# Altium PCB PCB2.PcbDoc (part 2 of 3)
Units mil, origin at the board's own origin, x right, y up, seen from the top; angles counter-clockwise.
Board outline 8661.42 x 5433.07 mil, 2 copper layers (Top Layer, Bottom Layer); 304 components, 0 nets, 1026 pads, 1089 vias.
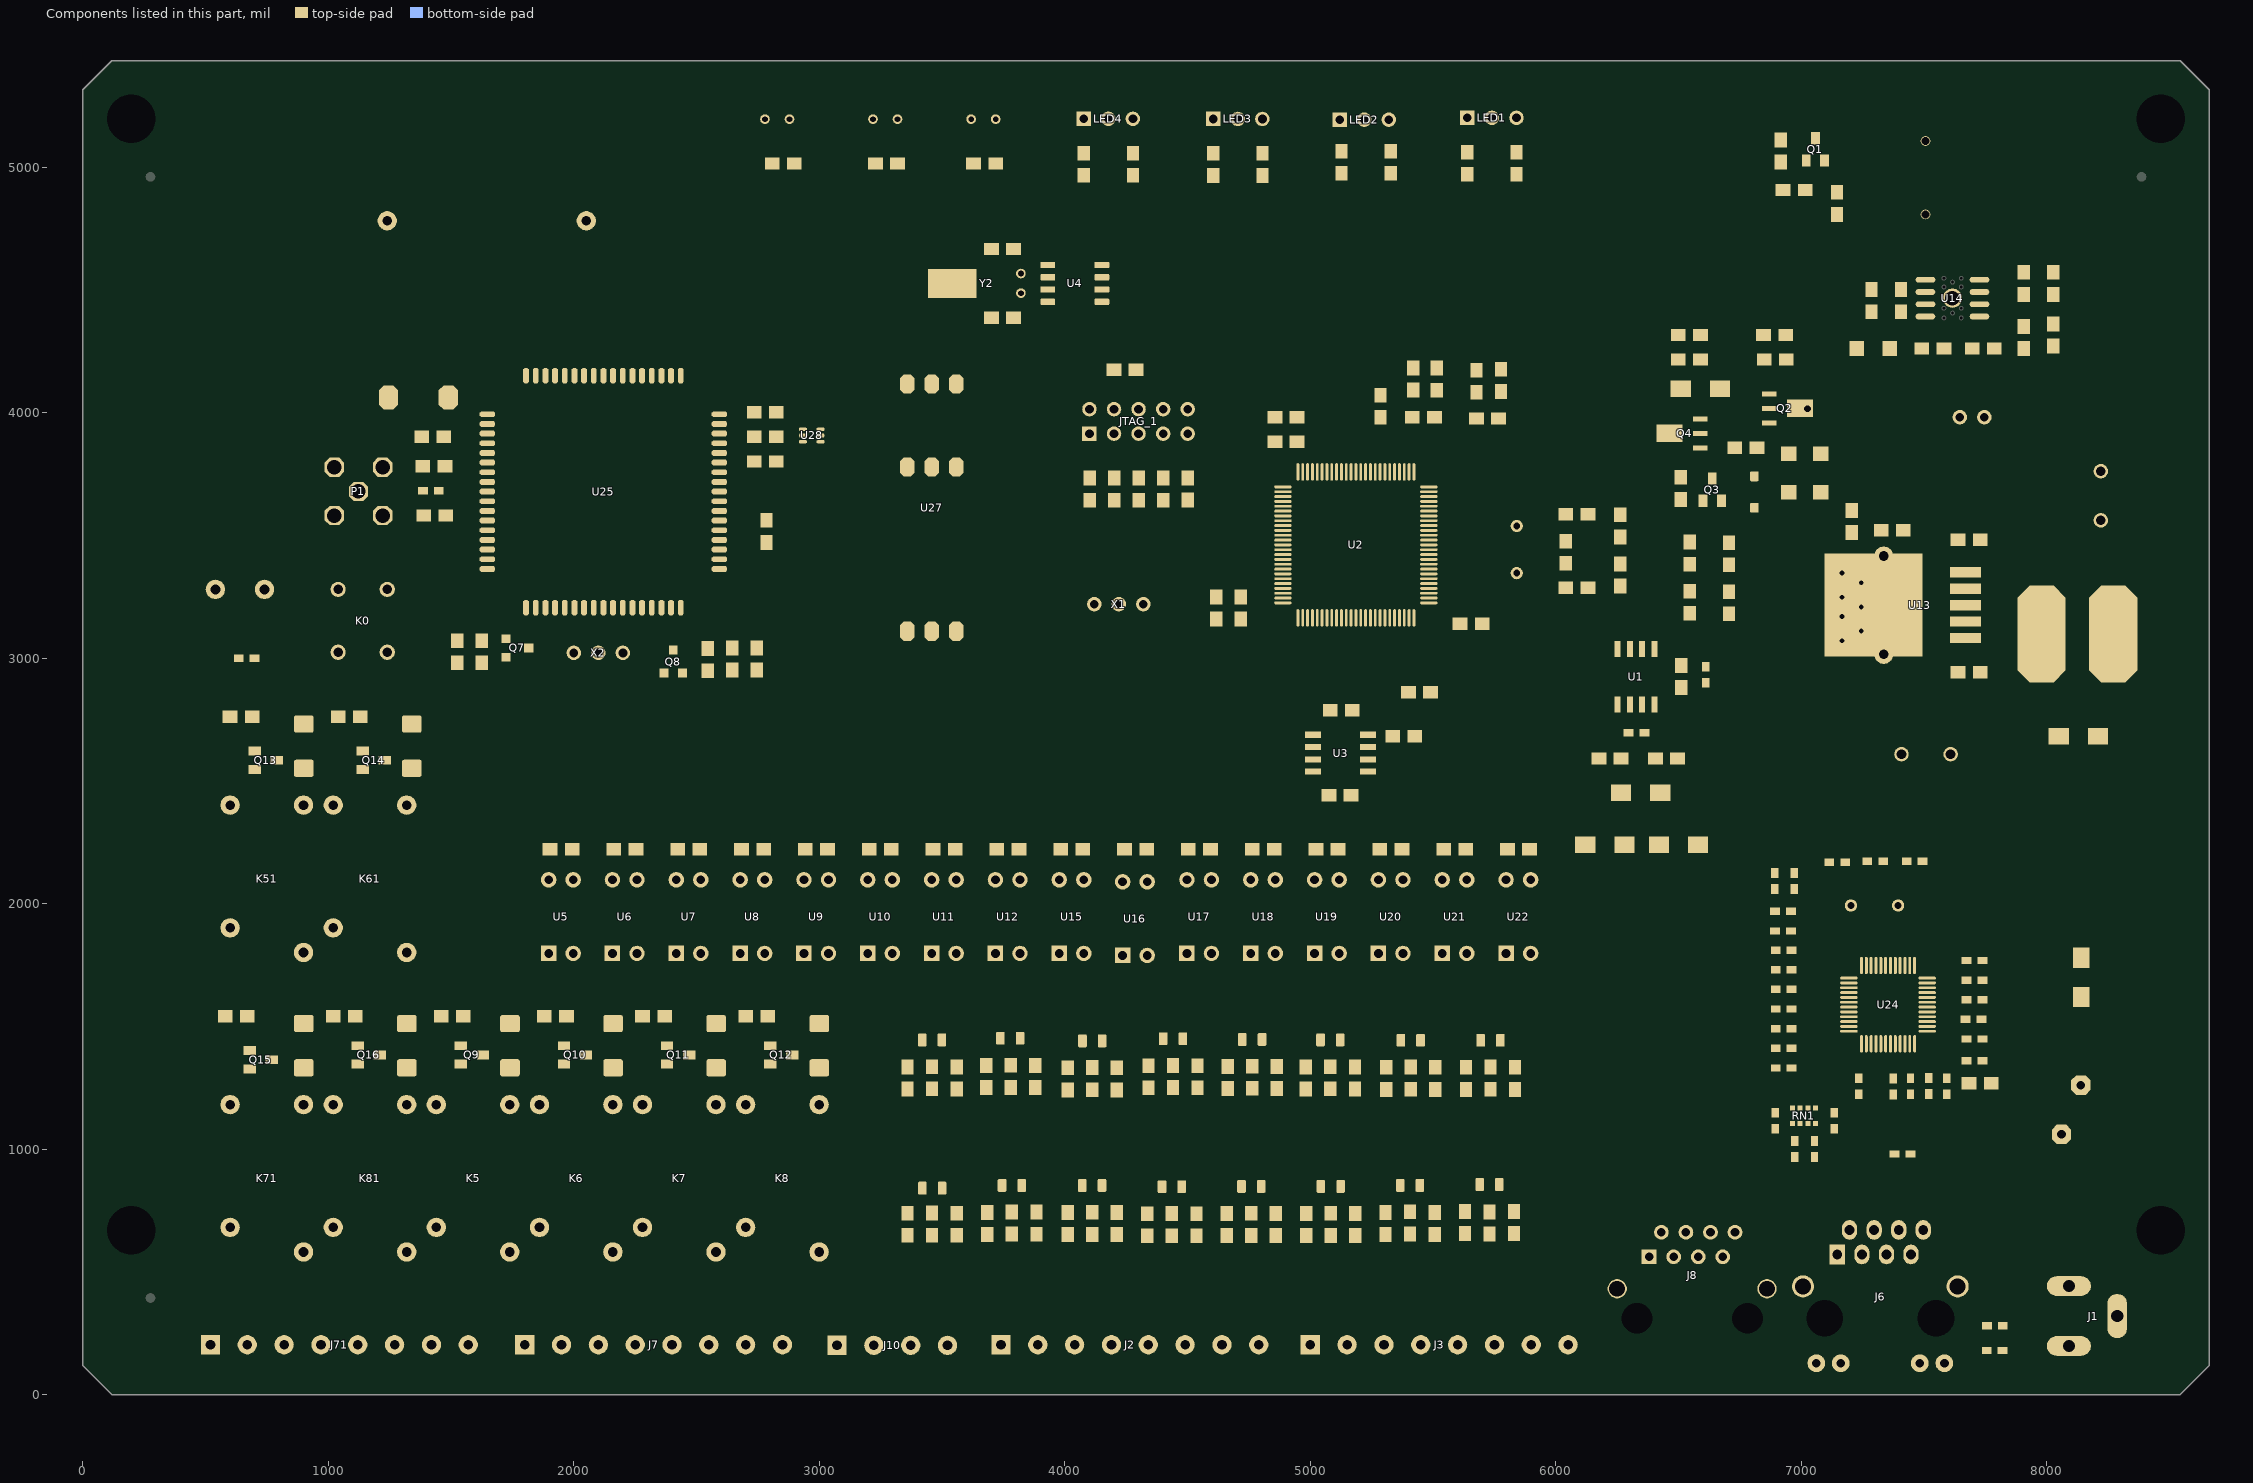
[diagram p2: the components of this part, seen from the top]

## Via types
v1: diameter 19.68, hole 11.81, Top Layer to Bottom Layer, tented both sides, 1079 vias
v2: diameter 39.37, hole 19.68, Top Layer to Bottom Layer, tented both sides, 6 vias
v3: diameter 27.56, hole 19.68, Top Layer to Bottom Layer, tented both sides, 2 vias
v4: diameter 27.56, hole 11.81, Top Layer to Bottom Layer, tented both sides, 1 vias
v5: diameter 47.24, hole 19.68, Top Layer to Bottom Layer, tented both sides, 1 vias

## Nets (pads, with @x,y where several pads share a name; then routed paths per layer and width w, separated by ;. In a path a pad name is that pad's centre, name@x,y a point inside that pad or via, vN(x,y) a via of type N, cw(c..) or ccw(c..) an arc to the next point about the centre after c; other vN are vias at no path point) (continued)
copper on no net: | length 375264.6
  Top Layer w10: 580,1541.26 580,1635.12 606.3,1661.42 1665.35,1661.42 1712.56,1708.62 1712.56,2728.31 1759.84,2775.59 3787.4,2775.59 3854.33,2842.52 3854.33,3629.92 v1(3874.02,3649.61) ; 600,2761.26 600,2824.41 618.11,2842.52 3751.97,2842.52 3803.15,2893.7 3803.15,3692.91 v1(3783.46,3712.6) ; 670,1411.26 670,1541.26 ; 690,2761.26 690,2631.26 700,2621.26 ; 1020,1541.26 1020,1618.43 1031.5,1629.92 1669.29,1629.92 1732.56,1693.19 1732.56,2705 1779.53,2751.97 3803.15,2751.97 3877.95,2826.77 3877.95,3576.3 v1(3926.42,3624.76) ; 1040,2761.26 1040,2803.46 1055.43,2818.9 3795.28,2818.9 3831.34,2854.96 v1(3831.34,3677.8) ; 1110,1541.26 1120,1531.26 1120,1421.26 ; 1130,2761.26 1140,2751.26 1140,2621.26 ; 1472.92,3898.81 1470.47,3901.26 1489.06,3914.95 1489.06,4061.26 ; 1475.12,3681.26 1477.95,3678.43 1478.35,3678.03 ; 1525.12,3060.65 1525.12,3071.26 ; 1540,1421.26 1550,1431.26 1550,1541.26 ; 1647.95,3442.2 1704.69,3442.2 1724.75,3462.26 1724.75,4751.01 1875.99,4902.24 3274.25,4902.24 3318.43,4946.42 3318.43,5015.12 ; 1647.95,3481.57 1647.95,3520.94 1647.95,3560.32 1647.95,3599.69 1647.95,3639.06 ; 1647.95,3717.8 1647.75,3717.8 1647.75,3757.17 1647.95,3757.17 ; 1647.95,3914.65 1647.95,3954.02 ; 1647.95,3993.39 1700.75,4046.18 1700.75,4778.69 1856.3,4934.24 2857.25,4934.24 2898.43,4975.42 2898.43,5015.12 ; 1678.15,3078.66 1723.86,3078.66 ; 1897.4,1797.16 1897.4,1701.03 1941.26,1657.17 2964.16,1657.17 3163.15,1458.17 3163.15,990.39 3276.54,877.01 3384.25,877.01 3420,841.26 ; 1897.4,2227.4 1897.4,2476.14 1948.82,2527.56 4429.13,2527.56 4559.06,2657.48 4559.06,2976.38 4683.07,3100.39 4959.88,3100.39 4988.9,3129.41 4988.9,3164.02 ; 1923.55,3205.98 1923.55,3407.46 1747.75,3583.26 1747.75,4725.66 1891.33,4869.24 3674.25,4869.24 3718.43,4913.42 3718.43,5015.12 ; 2002.29,4150.87 2041.66,4150.87 ; 2157.4,1797.16 2277.4,1677.17 2972.44,1677.17 3183.15,1466.46 3183.15,1000.44 3286.58,897.01 3807.72,897.01 3824.33,880.4 3824.33,851.97 ; 2163.23,2221.57 2163.23,2478.19 2185.04,2500 4437.01,2500 4578.74,2641.73 4578.74,2960.63 4700.79,3082.68 4967.17,3082.68 5008.58,3124.09 5008.58,3164.02 ; 2417.4,1797.16 2513.78,1700.79 2940.94,1700.79 2977.21,1700.79 3203.15,1474.85 3203.15,1008.72 3294.87,917.01 4130.24,917.01 4151.57,895.67 4151.57,851.97 ; 2417.4,2097.16 2417.4,2215.74 ; 2423.23,2215.74 2423.23,2221.57 2421.26,2219.61 2421.26,2437.01 2456.69,2472.44 4444.88,2472.44 4598.43,2625.98 4598.43,2948.82 4712.6,3062.99 4977.48,3062.99 5028.27,3113.78 5028.27,3164.02 ; 2442.52,2940 2536.3,2940 2545.12,2948.82 2552.68,2948.82 ; 2592.75,3363.46 2592.84,3363.46 ; 2592.84,3835.91 v1(2642.44,3835.91) ; 2677.4,1797.16 2750.15,1724.41 2917.32,1724.41 2981.87,1724.41 3223.15,1483.13 3223.15,1017.01 3303.15,937.01 4437.01,937.01 4475.98,898.03 4475.98,874.41 ; 2683.23,2221.57 2683.23,2415.51 2716.54,2448.82 4456.69,2448.82 4618.11,2610.24 4618.11,2937.01 4724.41,3043.31 4987.8,3043.31 5047.95,3103.46 5047.95,3164.02 ; 2735.12,4001.26 2735.75,4001.26 ; v1(2902.84,3881.26) 2933.12,3881.26 ; 2937.4,1797.16 3243.15,1491.41 3243.15,1032.44 3314.96,960.63 4767.72,960.63 4799.6,928.74 4799.6,848.03 ; 2943.23,2221.57 2943.23,2372.36 2992.13,2421.26 4460.63,2421.26 4637.8,2598.43 4637.8,2925.2 4736.22,3023.62 4999.11,3023.62 5067.64,3092.15 5067.64,3164.02 ; 2966.54,3828.74 2966.54,3897.64 2975.75,3906.85 3005.12,3906.85 ; 3005.12,3881.26 3037.75,3881.26 3053.15,3896.66 3053.15,3981.26 ; 3036.14,4001.26 3053.15,3984.25 ; 3197.4,1797.16 3263.15,1731.41 3263.15,1047.87 3326.77,984.25 5087.79,984.25 5123.23,948.82 5123.23,848.03 ; 3203.23,2221.57 3203.23,2352.84 3244.09,2393.7 4468.5,2393.7 4657.48,2582.68 4657.48,2913.39 4748.03,3003.94 5009.43,3003.94 5087.32,3081.83 5087.32,3164.02 ; 3218.59,5195.12 3218.59,5024.96 3228.43,5015.12 ; 3457.4,1797.16 3457.4,1658.19 3283.15,1483.94 3283.15,1063.31 3338.58,1007.87 5417.32,1007.87 5446.38,978.82 5446.38,852.28 ; 3463.23,2221.57 3463.23,2325.43 3503.94,2366.14 4472.44,2366.14 4677.17,2570.87 4677.17,2901.57 4759.84,2984.25 5018.74,2984.25 5107.01,3072.52 5107.01,3164.02 ; 3499.29,1444.88 3574.09,1519.68 3818.9,1519.68 3977.4,1678.19 3977.4,1797.16 ; 3558,3778.29 3558,4116.87 ; 3559.29,1244.88 3559.29,1074.88 3582.68,1051.5 5838.27,1051.5 5893.7,996.06 5893.7,551.18 5818.9,476.38 5035.43,476.38 5000,440.94 5000,321.26 5000,203.15 ; 3559.45,648.98 3559.45,501.81 3740,321.26 3740,203.15 ; 3680.08,1250.71 3779.6,1250.71 3780.08,1251.18 ; 3684.33,741.97 3784.33,741.97 ; 3701.03,4386.24 3701.03,4386.46 ; 3717.4,1797.16 3717.4,1721.34 3503.94,1507.87 3342.52,1507.87 3303.15,1468.5 3303.15,1082.68 3354.33,1031.5 3425.19,1031.5 5716.54,1031.5 5769.84,978.19 5769.84,855.91 ; 3723.23,2221.57 3723.23,2299.21 3762.6,2338.58 4480.32,2338.58 4696.85,2555.12 4696.85,2889.76 4771.65,2964.57 5029.06,2964.57 5126.69,3062.2 5126.69,3164.02 ; 3784.33,744.09 3784.33,741.97 ; 3813.23,2221.57 3813.23,2249.57 ; 3817.71,1451.97 3873.62,1507.87 4149.61,1507.87 4235.35,1593.62 4235.35,1788.82 ; 3880.08,1250.71 3880.08,1112.05 3920.63,1071.5 5846.55,1071.5 5913.7,1004.35 5913.7,542.9 5827.18,456.38 5180.79,456.38 5150,425.59 5150,321.26 5150,203.15 ; 3884.33,653.54 3884.33,326.93 3884.33,208.82 3890,203.15 ; 3884.33,743.54 3882.75,741.97 3784.33,741.97 ; 3979.23,2225.57 3983.23,2221.57 3983.23,2271.65 4022.6,2311.02 4488.19,2311.02 4570.86,2393.69 ; 4040,203.15 4040,321.26 4040,421.89 4211.57,593.46 4211.57,651.97 ; 4077.4,4966.85 4077.4,4917.95 4100.4,4894.96 4423.23,4894.96 4496.77,4821.42 4817.64,4821.42 5028.27,4610.79 5028.27,3758.5 ; 4100.4,4014.17 4100.4,4125.26 4149.31,4174.17 4200.4,4174.17 ; 4151.03,4501.46 4682.88,4501.46 4746.06,4438.27 4746.06,3633.86 4820.24,3559.69 4888.51,3559.69 ; 4151.03,4551.46 4695.87,4551.46 4773.62,4473.7 4773.62,3644.32 4838.57,3579.37 4888.51,3579.37 ; 4151.93,1440.94 4242.48,1531.5 4456.69,1531.5 4497.4,1572.2 4497.4,1797.16 ; 4152.24,4450.24 4151.03,4451.46 4643.7,4451.46 4719.75,4375.41 4719.75,3622.05 4801.8,3540 4888.51,3540 ; 4190,203.15 4190,321.26 4190,532.52 4233.86,576.38 4515.75,576.38 4535.98,596.61 4535.98,647.09 ; 4211.93,1240.94 4211.93,1119.72 4240.16,1091.5 5854.84,1091.5 5933.7,1012.63 5933.7,534.61 5835.47,436.38 5326.77,436.38 5300,409.61 5300,321.26 5300,203.15 ; 4243.23,2227.48 4243.23,2221.57 4243.23,2262.91 4269.7,2289.39 4501.99,2289.39 4736.22,2523.62 4736.22,2870.08 4791.34,2925.2 5052.69,2925.2 5166.07,3038.58 5166.07,3164.02 ; 4277.4,4966.85 4398.59,4966.85 4516.46,4848.98 4833.39,4848.98 5047.95,4634.41 5047.95,3758.5 ; 4340,203.15 4340,321.26 4340,497.48 4398.9,556.38 4834.65,556.38 4859.6,581.34 4859.6,648.03 ; 4480.83,1449.96 4542.68,1511.81 4708.66,1511.81 4757.4,1560.55 4757.4,1797.16 ; 4490,203.15 4490,321.26 4490,490 4536.38,536.38 5153.54,536.38 5183.23,566.06 5183.23,648.03 ; 4501.18,3643.86 4501.75,3643.86 ; 4503.23,2221.57 4503.23,2255.91 4759.84,2512.52 4759.84,2862.2 4799.21,2901.57 5057.06,2901.57 5185.75,3030.26 5185.75,3164.02 ; 4523.62,2346.46 4570.86,2393.69 ; 4540.83,1249.96 4540.83,1153.35 4582.68,1111.5 5863.12,1111.5 5953.7,1020.92 5953.7,526.33 5843.75,416.38 5479.37,416.38 5450,387.01 5450,321.26 5450,203.15 ; 4604.96,4966.06 4604.96,4904.17 4633.86,4875.28 4842.52,4875.28 5067.64,4650.16 5067.64,3758.5 ; 4616.75,3249.26 4620.21,3252.72 ; 4640,203.15 4640,321.26 4640,474.65 4681.73,516.38 5476.38,516.38 5506.38,546.38 5506.38,652.28 ; 4763.23,2221.57 4787.4,2245.75 4787.4,2842.52 4818.9,2874.02 5061.51,2874.02 5244.81,3057.32 5244.81,3164.02 ; 4790,203.15 4790,321.26 4790,455.35 4831.02,496.38 5803.46,496.38 5829.84,522.75 5829.84,655.91 ; 4803.38,1446.77 4938.9,1446.77 5017.4,1525.27 5017.4,1797.16 ; v1(4803.78,3677.8) 4888.51,3677.8 ; 4804.96,4966.06 5087.32,4683.7 5087.32,3758.5 ; v1(4811.02,3649.61) 4819.53,3658.11 4888.51,3658.11 ; v1(4811.02,3712.6) 4826.14,3697.48 4888.51,3697.48 ; v1(4830.71,3625.98) 4843.15,3638.43 4888.51,3638.43 ; 4863.38,1246.77 4863.38,1169.69 4901.57,1131.5 5872.44,1131.5 5973.7,1030.24 5973.7,518.04 5852.03,396.38 5675.12,396.38 5600,321.26 5600,203.15 ; 4888.51,3225.04 4929.31,3225.04 ; 4888.51,3284.09 v1(4939.75,3284.09) ; 4945.75,3981.26 4969.21,3957.8 4969.21,3758.5 ; 4948.31,3712.6 4948.31,3757.28 ; 4948.31,3758.5 4948.31,3757.28 ; 4949.53,3179.61 4949.53,3164.02 4949.53,3215.04 4994.33,3259.84 v1(5017.72,3259.84) ; 4949.53,3758.5 4948.31,3757.28 ; 4969.21,3164.02 4969.21,3202.72 4993.75,3227.26 v1(5003.75,3227.26) ; 4988.9,3758.5 4988.9,3692.2 5015.75,3665.35 v1(5027.56,3665.35) ; 5008.58,3758.5 5008.58,3711.89 5027.56,3692.91 v1(5043.31,3692.91) ; 5023.23,2221.57 5023.23,2287.01 5051.18,2314.96 5519.68,2314.96 5564.75,2360.03 5564.75,2884.26 5513.75,2935.26 5345.75,2935.26 5323.55,2957.46 5323.55,3164.02 ; 5107.01,3758.5 5107.01,4974.57 ; 5107.01,4954.41 5127.17,4974.57 ; 5121.65,1444.88 5232.28,1444.88 5277.4,1490 5277.4,1797.16 ; 5126.69,3758.5 5126.69,3996.05 ; 5126.69,4028.32 5126.69,3996.05 ; 5146.38,3164.02 5146.38,3050.89 5040.37,2944.88 4779.53,2944.88 4716.54,2881.89 4716.54,2539.37 4570.86,2393.69 ; 5146.38,3758.5 5146.38,4642.98 5146.38,4643.7 5326.77,4824.09 5596.46,4824.09 5639.77,4867.4 5639.77,4970.79 ; 5166.07,3758.5 5166.07,4627.23 5339.3,4800.47 5800.4,4800.47 5839.77,4839.84 5839.77,4970.79 ; 5170.79,2787.8 5170.79,2808.26 ; 5181.65,1244.88 5181.65,1184.49 5214.65,1151.5 5880.73,1151.5 5993.7,1038.52 5993.7,509.76 5860.32,376.38 5805.12,376.38 5750,321.26 5750,203.15 ; 5185.75,3758.5 5185.75,4611.49 5351.11,4776.85 6891.73,4776.85 6925.75,4810.87 6925.75,4907.24 ; v1(5188.98,3232.28) 5205.44,3215.82 5205.44,3164.02 ; 5205.44,3808.95 5205.44,3758.5 5205.44,3955.43 5231.26,3981.26 5285.75,3981.26 ; 5225.12,3164.02 v1(5225.12,3236.22) ; 5283.23,2221.57 5283.23,2251.97 5318.66,2287.4 5535.43,2287.4 5584.75,2336.72 5584.75,2892.54 5522.03,2955.26 5356.75,2955.26 5343.23,2968.78 5343.23,3164.02 ; 5303.86,3758.5 v1@5303.86,3844.26 ; 5323.55,3758.5 v1@5323.55,3816.65 ; 5327.17,4974.57 5327.17,4882.83 5126.69,4682.35 5126.69,3996.05 ; v1(5343.23,3708.26) 5343.23,3758.5 ; 5362.92,3164.02 5362.92,2992.09 5379.75,2975.26 5530.32,2975.26 5614.99,2890.59 5614.99,2327.59 5543.23,2255.83 5543.23,2221.57 5543.23,2102.99 5537.4,2097.16 ; 5362.92,3758.5 v1(5362.92,3857.26) ; 5382.6,3164.02 5382.6,3010.41 5394.75,2998.26 5537.75,2998.26 5642.02,2893.99 5642.02,2330.42 5692.29,2280.15 5778.91,2280.15 5803.23,2255.83 5803.23,2221.57 5784.23,2240.57 ; 5382.6,3712.25 5382.6,3758.5 ; 5402.29,3758.5 5402.29,3813.7 5407,3818.42 5407,3893.26 ; 5415.75,3981.26 5415.75,3940.94 5431.5,3925.2 5603.35,3925.2 5621.06,3907.48 5621.06,3666.34 5573.47,3618.74 5482.99,3618.74 ; v1(5430.6,3658.11) 5482.99,3658.11 ; 5436.74,3421.89 5482.99,3421.89 ; 5448.9,1443.15 5486.46,1443.15 5537.4,1494.09 5537.4,1797.16 ; 5482.99,3225.04 5495.75,3225.04 ; 5482.99,3441.58 5745.43,3441.58 5840.75,3346.26 6000.75,3346.26 6040.75,3386.26 6040.75,3286.26 ; 5482.99,3461.26 5763.62,3461.26 5840.75,3538.38 5978.62,3538.38 6040.75,3476.26 6040.75,3586.26 ; 5482.99,3520.32 5596.1,3520.32 5743.05,3667.26 6319.3,3667.26 6356.3,3630.26 v1(6356.3,3433.07) ; 5482.99,3540 5587.25,3540 5736.51,3689.26 6339.28,3689.26 ; 5482.99,3579.37 5596.86,3579.37 5660.08,3642.59 5660.08,3869.37 5766.93,3976.22 5776.93,3986.22 ; 5482.99,3599.06 5581.34,3599.06 5640.08,3657.8 5640.08,3917.99 5612.21,3945.87 5541.14,3945.87 5505.75,3981.26 ; 5482.99,3638.43 5561.66,3638.43 5592.52,3669.29 v1(5592.52,3899.61) ; 5482.99,3677.8 5539.29,3677.8 v1(5562.99,3701.5) ; 5482.99,3697.48 v1(5482.99,3731.02) ; 5508.9,1243.15 5508.9,1201.97 5539.37,1171.5 5889.01,1171.5 6013.7,1046.8 6013.7,501.48 5900,387.78 5900,321.26 5900,203.15 ; v1(5592.52,3976.38) 5676.77,3976.38 ; 5676.93,3958.9 5676.93,3976.22 ; 5729.84,744.09 5729.84,745.91 ; 5773.94,1443.15 5797.4,1466.61 5797.4,1797.16 ; 5833.94,1243.15 5845.64,1243.15 6033.7,1055.09 6033.7,337.56 6033.7,219.45 ; v1@6251.57,2980.71 6251.57,3036.38 ; 6262.58,3383.78 6262.64,3383.78 ; 6262.58,3493.78 6262.64,3493.78 ; 6262.64,3293.78 6280.58,3293.78 ; 6338.93,3689.61 6339.28,3689.26 ; 6401.57,3036.38 6405.51,3032.44 v1(6405.51,2968.5) ; 6545.39,3272.84 6545.39,3382.84 6443.94,3382.84 6390.83,3435.94 6390.83,3637.71 6339.28,3689.26 ; 6545.39,3472.84 6619.8,3547.24 v1(7025.59,3547.24) ; 6555.75,3915.51 6589.06,3915.51 ; 6705.24,3270.47 6705.24,3380.47 ; 6846.3,4316.46 6846.3,4267.02 6849.06,4264.26 6849.06,4216.46 ; 6869.06,4017.4 6922.72,4017.4 ; 6891.34,2124.21 6891.34,2155.12 6917.32,2181.1 6992.13,2181.1 ; 6958.31,1888.5 7007.17,1888.5 7033.47,1862.2 7033.47,1783.46 7139.84,1677.09 7193.86,1677.09 ; 6958.31,1968.5 7025.59,1968.5 7057.09,1937.01 7057.09,1795.28 7155.59,1696.77 7193.86,1696.77 7226.46,1696.77 v1(7261.81,1661.42) ; 6960.51,1330.71 7041.34,1330.71 7080.71,1370.08 7080.71,1503.94 7116.06,1539.29 7193.86,1539.29 7155.43,1539.29 ; 6960.51,1410.71 7030.79,1410.71 7061.02,1440.94 7061.02,1515.74 7061.02,1519.61 7100.39,1558.98 7193.86,1558.98 ; 6960.51,1490.71 6988.82,1490.71 7076.77,1578.66 7193.86,1578.66 ; 6960.51,1570.71 7009.69,1570.71 7037.32,1598.35 7193.86,1598.35 ; 6960.51,1650.71 7000.87,1650.71 7033.54,1618.03 7193.86,1618.03 ; 6960.51,1730.71 7053.5,1637.72 7193.86,1637.72 ; 6960.51,1810.71 7113.82,1657.4 7193.86,1657.4 ; 6963.62,1043.11 6963.62,1104.88 ; 6963.86,1105.12 v1(6963.86,1128.87) ; 6971.34,2124.21 6996.06,2124.21 7027.56,2092.72 7027.56,2043.31 7245.04,1825.83 7245.04,1747.95 7226.26,1766.73 v1(7200.79,1766.73) ; 6973.86,967.87 6973.86,931.65 6992.13,913.39 7212.6,913.39 7248.03,877.95 7248.03,690.31 7248.03,572.2 7246.69,570.87 ; v1(6992.13,3366.14) 6992.13,2181.1 ; 6994.86,1105.14 v1(6994.86,1128.87) ; 6995.12,1104.88 6995.12,1085.61 7047.86,1032.87 ; 7026.61,1104.88 v1(7026.61,1128.12) ; 7053.86,967.87 7084.72,937.01 7232.28,937.01 7273,896.29 7273,794.56 7396.69,670.87 ; 7058.11,1104.88 v1(7058.11,1128.13) ; 7061.06,127.95 7138.11,205 7680.71,205 7755.71,280 ; v1(7088.8,1204.95) 7264.73,1380.87 7264.73,1429.05 ; v1(7095.47,1243.11) 7245.04,1392.68 7245.04,1421.26 ; 7133.86,1147.87 7133.86,1192.91 7229.76,1288.82 7233.86,1288.82 7233.86,1314.57 v1(7293.31,1374.02) 7304.1,1384.8 7304.1,1429.05 ; 7178.86,2168.82 7202.13,2145.55 7202.13,1992.44 7343.47,1851.1 7343.47,1747.95 ; 7178.86,2172.44 7249.25,2172.44 ; 7193.86,1480.24 7230.24,1480.24 7238.19,1488.19 7297.24,1488.19 ; 7245.04,1398.58 7245.04,1421.26 ; 7245.04,1429.05 7245.04,1421.26 ; 7264.73,1747.95 7264.73,1697.87 v1(7312.99,1649.61) ; 7284.41,1429.05 7284.41,1475.35 7297.24,1488.19 ; 7284.41,1747.95 v1(7284.41,1802.13) ; v1@7291.86,1283.46 7291.86,1321.39 7323.78,1353.31 7323.78,1429.05 ; v1(7304.1,1696.85) 7304.1,1747.95 ; v1(7316.93,1307.09) v1@7316.93,1314.96 ; 7323.78,1747.95 7323.78,1802.2 7070.86,2055.12 7070.86,2102.37 6992.13,2181.1 ; 7324.33,3004.05 7335.75,3015.46 ; 7331.67,1329.7 v1@7316.93,1314.96 ; 7333.86,2172.44 7429.25,2172.44 7394.25,2137.44 7394.25,1992.44 7363.15,1961.34 7363.15,1747.95 ; 7335.75,3415.46 7335.75,3335.58 7294.43,3294.26 7294.43,3216.2 ; 7343.47,1429.05 7343.47,1341.5 v1@7316.93,1314.96 ; 7382.84,1747.95 7382.84,1493.15 7387.8,1488.19 ; 7402.52,1429.05 7402.52,1473.46 7387.8,1488.19 ; 7405.75,4501.26 7450.75,4501.26 7460.75,4491.26 7505.75,4491.26 ; 7415.75,3521.26 7415.75,3216.2 7294.57,3216.2 7294.43,3216.2 ; 7422.21,1429.05 7422.21,1372.79 7444,1351 7498,1351 7519.68,1329.31 7519.68,1289.41 ; 7422.21,1747.95 7422.21,1804.1 7468.5,1850.39 7803.15,1850.39 7862.2,1791.34 7862.2,913.39 7862.2,812.2 v1(7557,507) ; 7431.1,3118.11 7431.1,3118.26 7430.75,3117.91 7430.75,3110.46 7415.46,3095.17 7335.75,3015.46 ; v1@7442.09,1599.25 v1(7442.99,1598.35) 7512.76,1598.35 ; 7461.58,1747.95 7461.58,1788.35 7500,1826.77 7787.4,1826.77 7838.58,1775.59 7838.58,1153.54 7838.58,925.2 7838.58,830.58 v1(7556,548) ; 7490.75,4256.5 v1@7490.75,4334.26 ; 7496.07,3194.88 7496.07,3216.06 7496.07,3216.2 7496.07,3220.24 7538.58,3220.24 7542.75,3216.06 7596.75,3216.06 7668.43,3216.06 ; 7505.75,4441.26 7515.75,4441.26 ; 7512.76,1499.92 7470.55,1499.92 v1(7438.98,1531.5) 7446.77,1539.29 7512.76,1539.29 ; 7512.76,1618.03 7578.78,1618.03 7668.31,1528.5 ; 7512.76,1657.4 7560.95,1657.4 7592.05,1688.5 7673.31,1688.5 ; 7512.76,1677.09 7549.13,1677.09 7640.55,1768.5 7673.31,1768.5 ; 7582.69,127.95 7634.74,180 7755,180 ; 7725.75,4367.26 7725.75,4381.89 7725.75,4391.26 ; 7294.43,3216.2 7294.43,3056.79 7335.75,3015.46 ; 7297.24,1488.19 7387.8,1488.19
  Top Layer w11.81: 1460,1541.26 1460,1582.05 1480.31,1602.36 1685.04,1602.36 1753.46,1670.79 1753.46,2471.99 1905.96,2624.49 4376.46,2624.49 4421.26,2669.28 ; 1880,1541.26 1880,1588.5 1775.28,1693.23 1775.28,2462.95 1915,2602.68 4394.02,2602.68 4488.19,2696.85 4488.19,3326.77 4602.99,3441.58 4888.51,3441.58 ; 1960,1421.26 1970,1431.26 1970,1541.26 ; 2280,1541.26 2280,1570.39 2235.94,1614.45 1923.57,1614.45 1797.09,1740.93 1797.09,2453.92 1924.03,2580.87 4407.64,2580.87 4511.81,2685.04 4511.81,3311.02 4622.68,3421.89 4888.51,3421.89 ; 2370,1541.26 2370,1431.26 2380,1421.26 ; 2700,1541.26 2700,1603.15 2666.89,1636.26 1932.6,1636.26 1818.9,1749.96 1818.9,2444.89 1933.07,2559.06 4425.2,2559.06 4535.43,2669.29 4535.43,3299.21 4638.42,3402.2 4888.51,3402.2 ; 2790,1541.26 2790,1431.26 2800,1421.26 ; 2825.12,3801.26 2902.84,3878.98 v1(2902.84,3881.26) ; 2825.12,3901.26 2830.71,3906.85 v1(2882.52,3906.85) 2882.68,3907.01 2932.96,3907.01 2933.12,3906.85 ; 4385.83,2633.86 4421.26,2669.28 ; 4616.75,3249.26 4621.29,3244.72 4888.51,3244.72 ; v1(4704.72,3314.96) 4712.6,3307.09 4814.96,3307.09 4831.34,3323.46 4888.51,3323.46 ; v1(4752.75,3374.26) 4761.01,3382.52 4888.51,3382.52 ; v1(4771.65,3346.46) 4788.03,3362.83 4888.51,3362.83 ; v1(4803.15,3334.65) 4811.65,3343.15 4888.51,3343.15 ; v1(4822.83,3279.53) 4847.09,3303.78 4888.51,3303.78 ; 4888.51,3461.26 4583.31,3461.26 4464.57,3342.52 4464.57,2712.59 4421.26,2669.28 ; 4929.31,3225.04 4947.14,3242.87 ; 5235.2,2537.8 5410.29,2537.8 5480.75,2608.26 5480.75,2729.26 5402.92,2807.09 5335.36,2807.09 5284.18,2858.27 5284.18,3164.02 ; 5264.49,3164.02 5264.49,2842.52 5323.54,2783.46 5393.7,2783.46 5425.75,2751.42 5425.75,2681.26 ; 5303.86,3164.02 5303.86,2892.99 5335.59,2861.26 5400,2861.26 ; 5402.29,3164.02 5402.29,3119.37 5442.91,3078.74 ; 5421.97,3758.5 v1(5455.35,3758.5) ; 5482.99,3402.2 5549.84,3402.2 5561.03,3413.39 ; 5482.99,3480.95 5600.44,3480.95 v1(5609.87,3490.39) ; v1(6299.21,2917.32) 6301.57,2919.68 6301.57,3036.38 ; v1(7374.02,916.02) 7374.02,975 ; 7374.02,1222.44 7374.02,975 ; 7379.02,980 7374.02,975 ; 7382.84,1429.05 v1(7382.84,1374.02) 7382.84,1296.26 7374.02,1287.44 7443.82,1287.44 7444.88,1288.5 ; 7402.52,1747.95 7402.52,1654.57 ; 7512.76,1519.61 7553.23,1519.61 v1(7574.7,1498.14) 7608.27,1464.57 7608.27,1381.89 7621.65,1368.5 7673.31,1368.5 ; 7592.36,1295.43 7592.36,1288.5 7592.36,1347.64 7563.95,1376.05 v1(7452.69,1376.05) 7441.89,1386.85 7441.89,1429.05 7441.89,1489.21 7402.52,1528.58 7402.52,1579.76 ; 7673.31,1448.5 7663.7,1448.5 7553.23,1558.98 7512.76,1558.98 7423.31,1558.98 7402.52,1579.76 ; 7673.31,1608.5 7644.1,1637.72 v1(7578.74,1637.72) 7512.76,1637.72 7419.37,1637.72 7402.52,1654.57 ; 7402.52,1579.76 7402.52,1654.57